# Altium PCB PM.PcbDoc (part 1 of 2)
Units mil, origin at the board's own origin, x right, y up, seen from the top; angles counter-clockwise.
Board outline 527.56 x 1381.89 mil, 4 copper layers (Top Layer 1, Top Layer, Bottom Layer, Bottom Layer 1), stack 62.449 mil thick; 87 components, 77 nets, 297 pads, 164 vias.
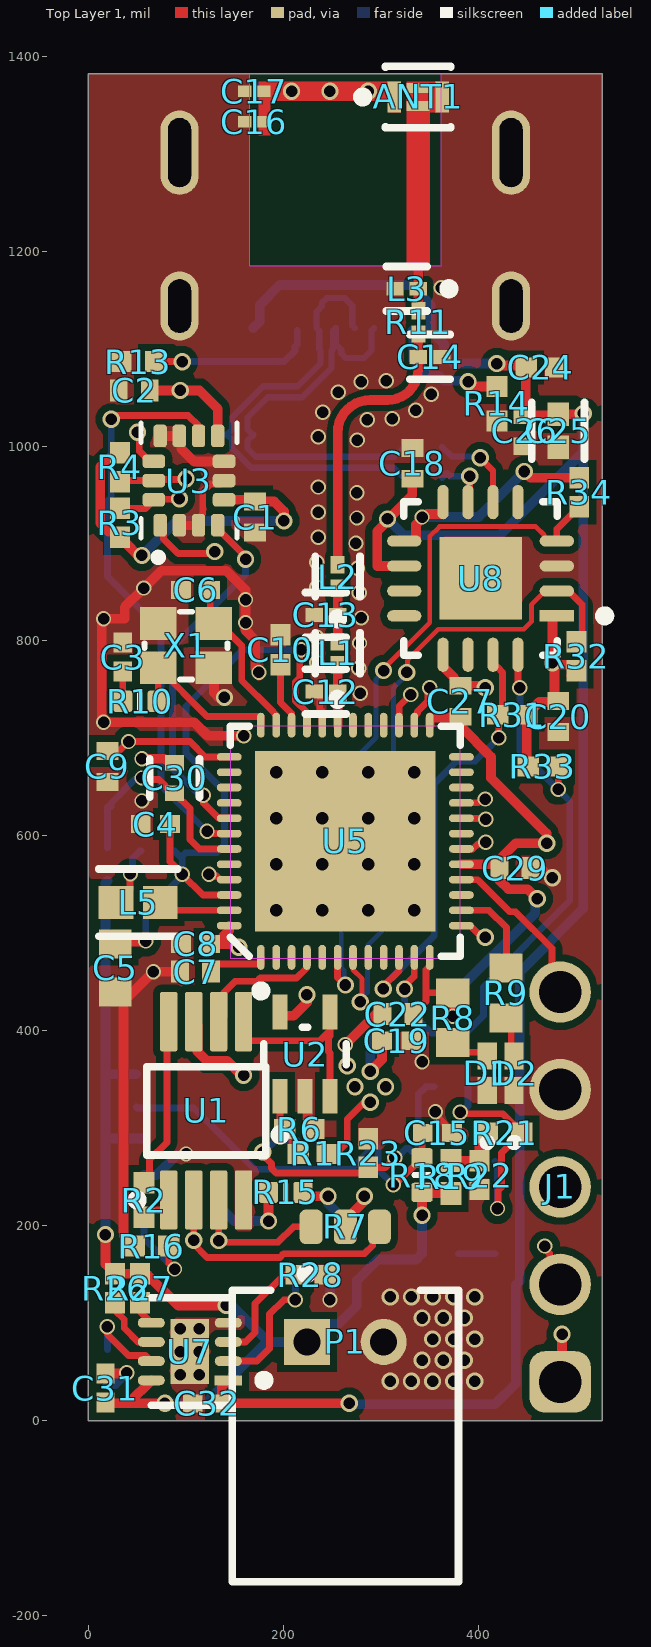
[diagram p0: Top Layer 1 view]
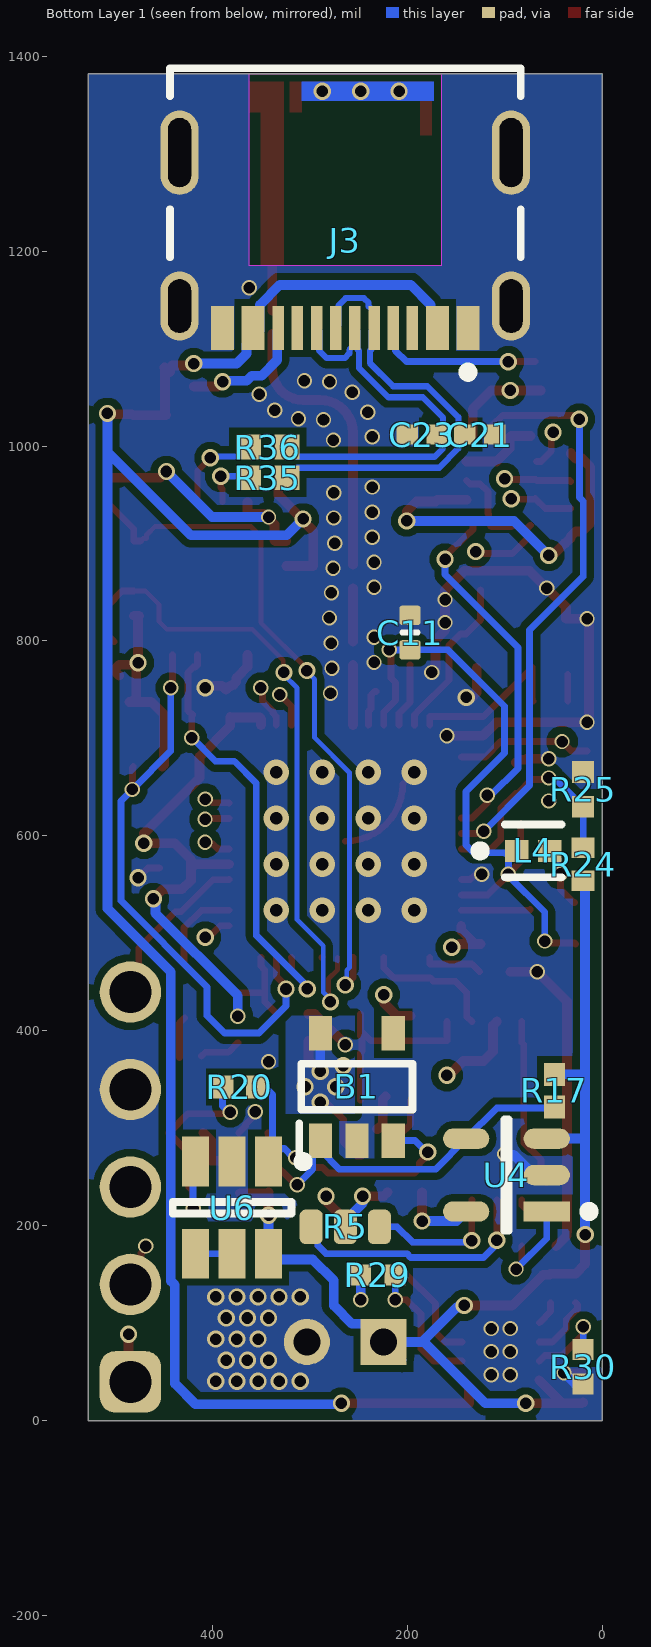
[diagram p1: Bottom Layer 1 view, seen from below]
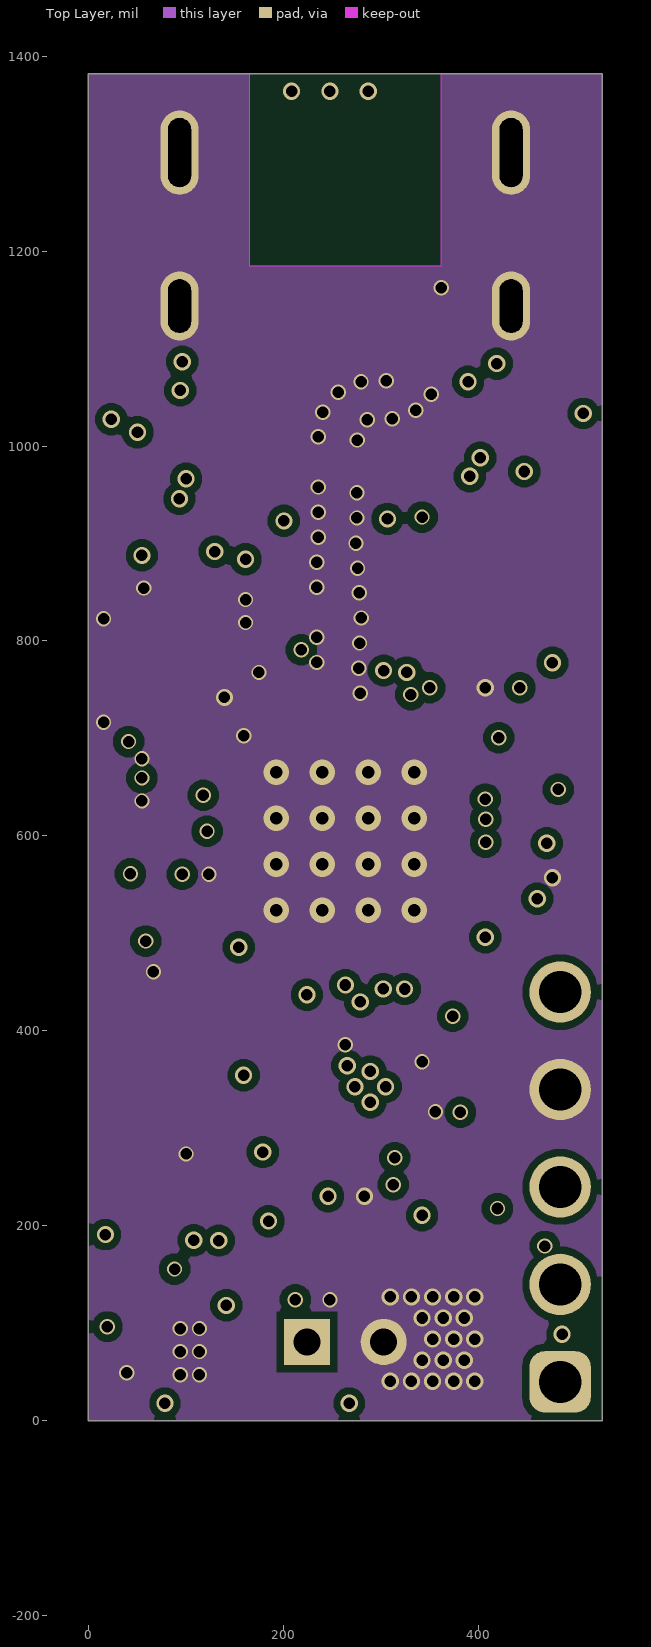
[diagram p2: Top Layer]
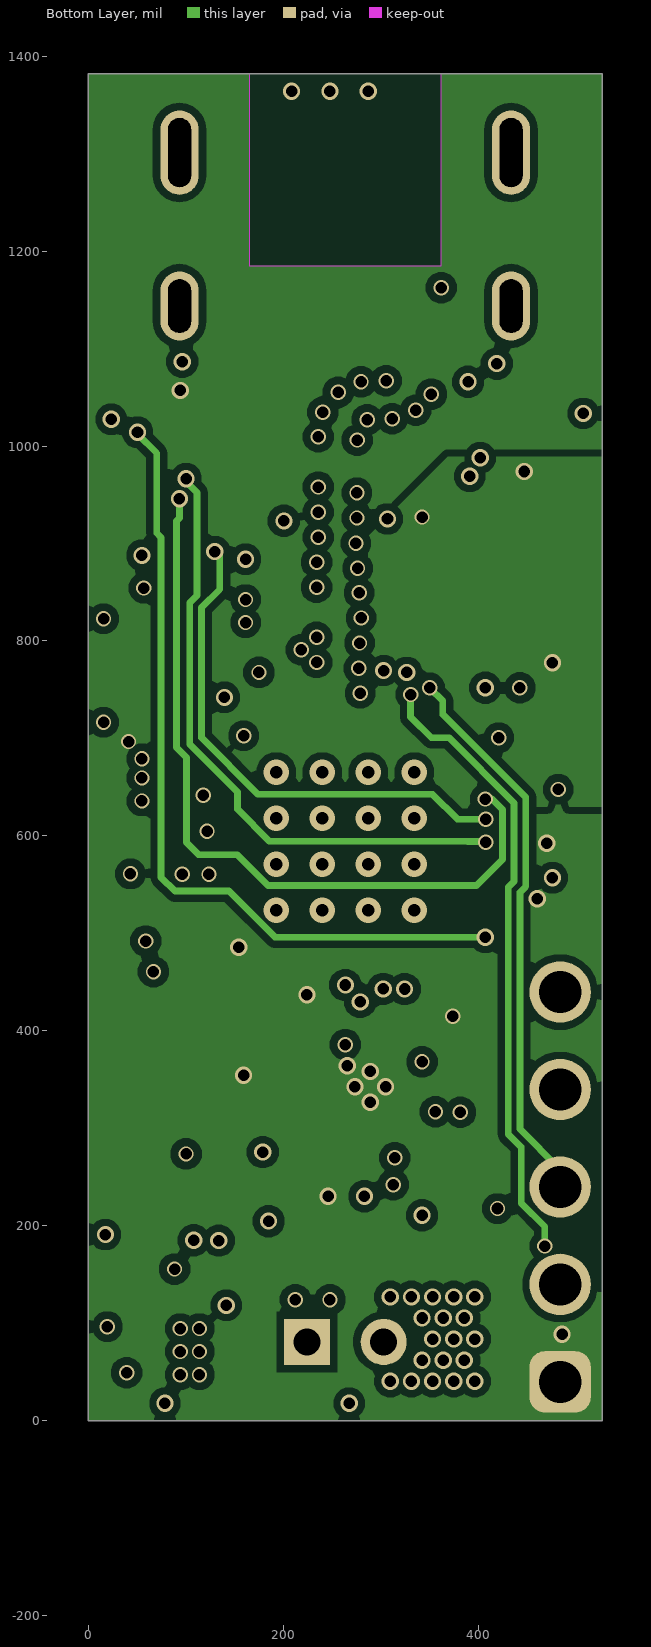
[diagram p3: Bottom Layer]
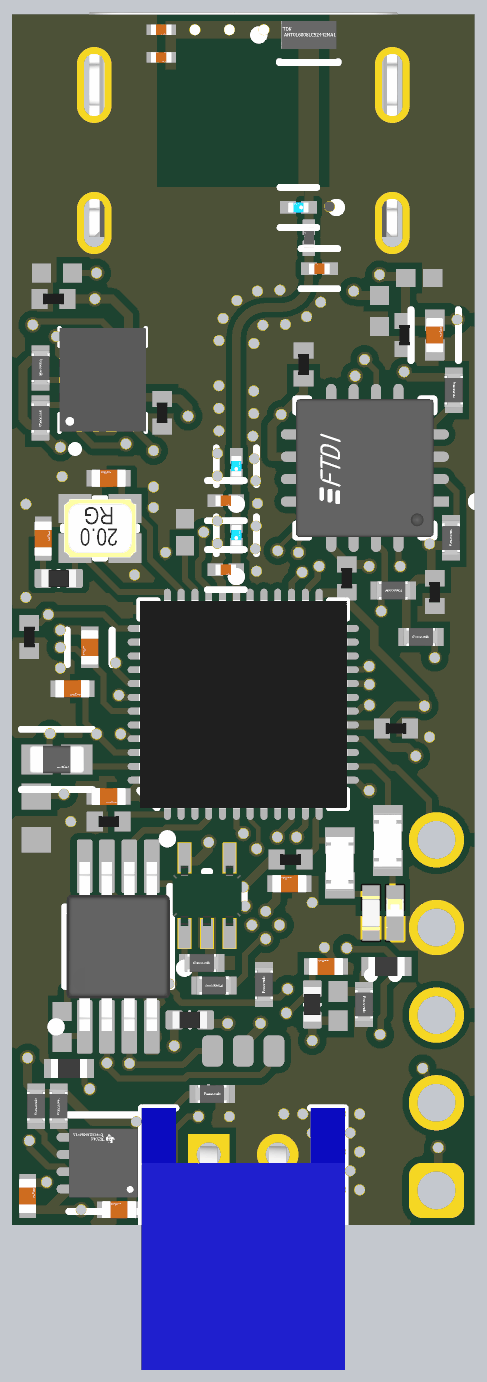
[diagram p5: 3D render of the assembled board from above, using the file's embedded part models]

## Layer stack, top to bottom
Top Solder: solder mask 1.2, Solder Resist, Dk 3.8
Top Layer 1: signal copper 1.378
Dielectric 2: prepreg 8.2835, Core-024, Dk 4.4
Top Layer: signal copper 0.5984
Dielectric 1: core 41.9291, Core-024, Dk 4.6
Bottom Layer: signal copper 0.5984
Dielectric 3: prepreg 8.2835, Core-024, Dk 4.4
Bottom Layer 1: signal copper 1.378
Bottom Solder: solder mask 1.2, Solder Resist, Dk 3.8

## Board outline
0,0 0,1381.89 527.56,1381.89 527.56,0

## Design rules (kind name [scope] priority, off if disabled: settings)
BoardOutlineClearance BoardOutlineClearanceEdge [InNet('GND') AND (IsFill)] p1: gap=7.87 ignorepadtopadclearanceinfootprint=FALSE except(0: Fill-OutlineEdge)
BoardOutlineClearance BoardOutlineClearanceMount [HasFootprint('MBD_PAD')] p2: gap=0 ignorepadtopadclearanceinfootprint=FALSE
BoardOutlineClearance [All] p3: gap=0 ignorepadtopadclearanceinfootprint=FALSE
Clearance Clearance_RF [InNetClass('RF') vs InNet('GND')] p1: gap=0 ignorepadtopadclearanceinfootprint=TRUE except(3.94: Arc-Via Track-Via SMDPad-Via SMDPad-Hole Via-Via Via-Hole; 5: Arc-Arc Arc-Track Arc-SMDPad Arc-THPad Arc-Text Track-Track Track-SMDPad Track-THPad Track-Text SMDPad-SMDPad SMDPad-THPad SMDPad-Text THPad-THPad THPad-Via THPad-Text Via-Text Fill-Text Poly-Text Region-Text Text-Text; 7.87: Arc-Hole Track-Hole; 10: THPad-Hole Fill-Hole Poly-Hole Region-Hole Text-Hole)
Clearance ClearanceSolderBridge [HasFootprint('SOLDERJUMPER-0603')] p2: gap=5 ignorepadtopadclearanceinfootprint=TRUE except(5.98: Arc-Fill Arc-Poly Arc-Region Track-Fill Track-Poly Track-Region SMDPad-Fill SMDPad-Poly SMDPad-Region THPad-Fill THPad-Poly THPad-Region Via-Fill Via-Poly Via-Region Fill-Fill Fill-Poly Fill-Region Poly-Poly Poly-Region Region-Region; 10: Arc-Hole Track-Hole SMDPad-Hole THPad-Hole Via-Hole Fill-Hole Poly-Hole Region-Hole Text-Hole)
Clearance Clearance_1 [All] p3: gap=7.48 ignorepadtopadclearanceinfootprint=TRUE except(3.94: Arc-Via Track-Via SMDPad-Via SMDPad-Hole Via-Via Via-Hole; 5: Arc-Arc Arc-Track Arc-SMDPad Arc-THPad Arc-Text Track-Track Track-SMDPad Track-THPad Track-Text SMDPad-SMDPad SMDPad-THPad SMDPad-Text THPad-THPad THPad-Via THPad-Text Via-Text Fill-Text Poly-Text Region-Text Text-Text; 7.87: Arc-Hole Track-Hole; 10: THPad-Hole Fill-Hole Poly-Hole Region-Hole Text-Hole)
ComponentClearance ComponentClearance_1 [HasFootprint('8-TSSOP_Pkg')] p1: gap=-393.7 collisioncheckmode=3 verticalgap=10 showdistances=FALSE
ComponentClearance [All] p2: gap=3.5 collisioncheckmode=3 verticalgap=3.5 showdistances=TRUE
DiffPairsRouting USB [InDifferentialPairClass('USB')] p1: maxlimit=5 minlimit=5 mostfreqgap=5 toplayer_minwidth=6.36 toplayer_maxwidth=6.36 toplayer_prefwidth=6.36 midlayer1_minwidth=5.13 midlayer1_maxwidth=5.13 midlayer1_prefwidth=5.13 midlayer2_minwidth=5.13 midlayer2_maxwidth=5.13 midlayer2_prefwidth=5.13 bottomlayer_minwidth=6.36 bottomlayer_maxwidth=6.36 bottomlayer_prefwidth=6.36 impedanceprofiledriven=TRUE impedanceprofileid={03B03E39-C32B-4432-9E20-EA2CCE247814} impedanceprofilevalue=90.000000 maxuncoupledlength=500
DiffPairsRouting DiffPairs_PWM [InDifferentialPair('MT_X') OR InDifferentialPair('MT_Y') OR InDifferentialPair('MT_Z')] p2: maxlimit=10 minlimit=7.87 mostfreqgap=10 toplayer_prefgap=7.87 toplayer_minwidth=11.81 toplayer_maxwidth=11.81 toplayer_prefwidth=11.81 midlayer1_mingap=10 midlayer1_minwidth=15 midlayer1_maxwidth=15 midlayer1_prefwidth=15 midlayer2_prefgap=7.87 midlayer2_minwidth=11.81 midlayer2_maxwidth=11.81 midlayer2_prefwidth=11.81 bottomlayer_prefgap=7.87 bottomlayer_minwidth=11.81 bottomlayer_maxwidth=11.81 bottomlayer_prefwidth=11.81 maxuncoupledlength=500
DiffPairsRouting DiffPairs_CAN [InDifferentialPair('CAN')] p3: maxlimit=17.72 minlimit=10 mostfreqgap=17.72 toplayer_mingap=17.72 toplayer_minwidth=7.09 toplayer_maxwidth=7.09 toplayer_prefwidth=7.09 midlayer1_minwidth=15 midlayer1_maxwidth=15 midlayer1_prefwidth=15 midlayer2_minwidth=15 midlayer2_maxwidth=15 midlayer2_prefwidth=15 bottomlayer_mingap=17.72 bottomlayer_minwidth=7.09 bottomlayer_maxwidth=7.09 bottomlayer_prefwidth=7.09 impedanceprofiledriven=TRUE maxuncoupledlength=500
DiffPairsRouting DiffPairs_USB [InDifferentialPair('USB_D') OR InDifferentialPair('FTDI_D') OR InDifferentialPair('USB2_D')] p4: maxlimit=10 minlimit=6.63 mostfreqgap=10 toplayer_mingap=9.45 toplayer_maxgap=9.45 toplayer_prefgap=9.45 toplayer_minwidth=10.24 toplayer_maxwidth=10.24 toplayer_prefwidth=10.24 midlayer1_minwidth=15 midlayer1_maxwidth=15 midlayer1_prefwidth=15 midlayer2_minwidth=15 midlayer2_maxwidth=15 midlayer2_prefwidth=15 bottomlayer_mingap=9.45 bottomlayer_maxgap=9.45 bottomlayer_prefgap=9.45 bottomlayer_minwidth=10.24 bottomlayer_maxwidth=10.24 bottomlayer_prefwidth=10.24 maxuncoupledlength=500
DiffPairsRouting [All] p5: maxlimit=3.5 minlimit=3.5 mostfreqgap=3.5 toplayer_minwidth=3.5 toplayer_maxwidth=1000 toplayer_prefwidth=3.5 midlayer1_minwidth=3.5 midlayer1_maxwidth=1000 midlayer1_prefwidth=3.5 midlayer2_minwidth=3.5 midlayer2_maxwidth=1000 midlayer2_prefwidth=3.5 bottomlayer_minwidth=3.5 bottomlayer_maxwidth=1000 bottomlayer_prefwidth=3.5 maxuncoupledlength=500
Height [All] p1: minheight=0 maxheight=71497.94 prefheight=500
HoleSize [All] p1: absolutevalues=TRUE maxlimit=248.03 minlimit=7.87 maxpercent=80.000 minpercent=20.000
HoleToHoleClearance HoleToHoleClearanceUSB [InComponent('J1')] p1: gap=0 allowstackedmicrovias=TRUE
HoleToHoleClearance [All] p2: gap=7.87 allowstackedmicrovias=FALSE
MinimumAnnularRing MinimumAnnularRing_USBC [InComponent('J1')] p1: minimumring=0
MinimumAnnularRing [All] p2: minimumring=3.94
MinimumSolderMaskSliver MinimumSolderMaskSliverUSB [HasFootprint('UJ31-CH-G1-SMT-TR')] p1: minsoldermaskwidth=3.15
MinimumSolderMaskSliver [All] p2: minsoldermaskwidth=3.94
PlaneClearance [All] p1: clearance=3.5
PlaneConnect PlaneConnectUSB [HasFootprint('uj31-CH-G1-SMT-TR')] p1: planeconnectstyle=Direct reliefexpansion=20 reliefentries=4 reliefconductorwidth=10 reliefairgap=10
PlaneConnect PlaneConnectMount [(HasFootprint('MBD_PAD') OR HasFootprint('SHIELD_PAD'))] p2: planeconnectstyle=Direct reliefexpansion=20 reliefentries=4 reliefconductorwidth=10 reliefairgap=10
PlaneConnect PlaneConnectPowerPads [(InNet('3V3') OR InNet('3V3_EXT') OR InNet('3V3_FSI') OR InNet('3V3_IN') OR InNet('5V0_USB') OR InNet('MCU_A3V3') OR InNet('3V3_PWM'))] p3: planeconnectstyle=Direct reliefexpansion=20 reliefentries=4 reliefconductorwidth=10 reliefairgap=10
PlaneConnect [All] p4: pad.planeconnectstyle=Relief pad.reliefexpansion=11.81 pad.reliefentries=4 pad.reliefconductorwidth=10 pad.reliefairgap=7.48 via.planeconnectstyle=Direct via.reliefexpansion=11.81 via.reliefentries=4 via.reliefconductorwidth=5 via.reliefairgap=5
PolygonConnect PolygonConnectTVS2 [HasFootprint('TVS-0603')] p1: connectstyle=Direct reliefconductorwidth=10 reliefentries=4 polygonreliefangle="90 Angle" airgapwidth=10
PolygonConnect PolygonConnectTVS [HasFootprint('SOT23_5L')] p2: connectstyle=Direct reliefconductorwidth=10 reliefentries=4 polygonreliefangle="90 Angle" airgapwidth=10
PolygonConnect PolygonConnectFTDI [HasFootprint('FP-QFN-20-MFG')] p3: connectstyle=Direct reliefconductorwidth=10 reliefentries=4 polygonreliefangle="90 Angle" airgapwidth=10
PolygonConnect PolygonConnectSOIC [HasFootprint('8-SOIC') vs InNet('GND')] p4: connectstyle=Direct reliefconductorwidth=10 reliefentries=4 polygonreliefangle="90 Angle" airgapwidth=10
PolygonConnect PolygonConnectLTC4415 [HasFootprint('FP-MSE-16-05-08-1667-MFG')] p5: connectstyle=Direct reliefconductorwidth=10 reliefentries=4 polygonreliefangle="90 Angle" airgapwidth=10
PolygonConnect PolygonConnectMRAM [HasFootprint('PSON127P600X90_HS-9M') OR HasFootprint('S3A1604V0M-JI1AT_Footprint1')] p6: connectstyle=Direct reliefconductorwidth=10 reliefentries=4 polygonreliefangle="90 Angle" airgapwidth=10
PolygonConnect PolygonConnectPWM [All vs HasFootprint('DRV8838DSGR-Footprint-1')] p7: connectstyle=Direct reliefconductorwidth=10 reliefentries=4 polygonreliefangle="90 Angle" airgapwidth=10
PolygonConnect PolygonConnectFSI [HasFootprint('FSI-110-PCB')] p8: connectstyle=Direct reliefconductorwidth=10 reliefentries=4 polygonreliefangle="90 Angle" airgapwidth=10
PolygonConnect PolygonConnectFlash [All vs HasFootprint('MT25Q-W9')] p9: connectstyle=Direct reliefconductorwidth=10 reliefentries=4 polygonreliefangle="90 Angle" airgapwidth=10
PolygonConnect PolygonConnectMount [(HasFootprint('MBD_PAD') OR HasFootprint('SHIELD_PAD'))] p10: connectstyle=Direct reliefconductorwidth=10 reliefentries=4 polygonreliefangle="90 Angle" airgapwidth=10
PolygonConnect PolygonConnectPower [All vs (InNet('3V3') OR InNet('3V3_EXT') OR InNet('3V3_FSI') OR InNet('3V3_IN') OR InNet('5V0_USB') OR InNet('MCU_A3V3') OR InNet('3V3_PWM') OR InNet('3V3_FTDI'))] p11: connectstyle=Direct reliefconductorwidth=10 reliefentries=4 polygonreliefangle="90 Angle" airgapwidth=10
PolygonConnect [All] p12: connectstyle=Direct reliefconductorwidth=6.3 reliefentries=4 polygonreliefangle="90 Angle" airgapwidth=6.3
RoutingVias [All] p1: holewidth=7.87 width=17.72 viastyle="Through Hole" minholewidth=11.81 minwidth=15.75 maxholewidth=248.03 maxwidth=257.87
SilkToSilkClearance [All] p1: silktosilkclearance=5
SilkToSolderMaskClearance [IsPad] p1: minsilkscreentomaskgap=5 clearancetoexposedcopper=TRUE
SolderMaskExpansion SolderMaskExpansionVias [IsVia] p1: expansion=0 istentingtop=TRUE
SolderMaskExpansion SolderMaskExpansion_1 [InPadClass('All Pads')] p2: expansion=0 istentingtop=FALSE
SolderMaskExpansion [All] p3: expansion=0 istentingtop=FALSE soldermaskfromhole=TRUE
UnRoutedNet [All] p1: checkbadconnections=TRUE
UnpouredPolygon [All] p1: allowshelved=TRUE
ViasUnderSMD [All] p1: allowed=FALSE
Width RF [InNetClass('RF')] p1: maxlimit=9.96 minlimit=7.12 preferedwidth=9.96 toplayer_minwidth=9.96 midlayer1_maxwidth=7.12 midlayer1_prefwidth=7.12 midlayer2_maxwidth=7.12 midlayer2_prefwidth=7.12 bottomlayer_minwidth=9.96 impedanceprofiledriven=TRUE impedanceprofileid={37774C1C-8497-48A5-A322-58DEB3C351D2} impedanceprofilevalue=50.000000 minimp=50.000000 maximp=50.000000 favimp=50.000000
Width Width_10mil [InNetClass('PWR')] p2: maxlimit=1000 minlimit=7 preferedwidth=10 minimp=50.000000 maximp=50.000000 favimp=50.000000
Width Width_7mil [All] p3: maxlimit=1000 minlimit=4 preferedwidth=7 minimp=50.000000 maximp=50.000000 favimp=50.000000
Width Power_20mil [All] p4 off: maxlimit=1000 minlimit=20 preferedwidth=20 minimp=50.000000 maximp=50.000000 favimp=50.000000
Width Power_12mil [All] p5 off: maxlimit=1000 minlimit=12 preferedwidth=12 minimp=50.000000 maximp=50.000000 favimp=50.000000
18 further rules are at their usual default settings.

## Classes and differential pairs
net class PWR: +5 VBATT VCC VCCIO VDDIO
differential pair class USB: USBD USBD2
net class RF: NetANT1_2-3 NetC13_2 NetC14_2 RF
differential pair USBD2: +USBD2_P -USBD2_N
differential pair USBD: +USBD_P -USBD_N

## Components (designator, comment, footprint, x,y, rotation, side; value= is the part's Value field where it differs from the comment)
ANT1 "ANT016008LCS2442MA1" FP-ANT016-MFG 338.58,1358.27 r0 top
B1 "XC6210B332MR-G" SOT95P280X130-5N 251.97,342.52 r90 bottom
C1 "GRM155R71C104KA88D" FP-GRM15-IPC_B 171.26,927.17 r90 top value=100nF
C2 "GRM155R71C104KA88D" FP-GRM15-IPC_B 47.24,1057.09 r0 top value=100nF
C3 "GRM1555C1H100FA01D" FP-GRM155-0_05-IPC_C 35.43,783.46 r90 top value=10pF
C4 "GRM155R70J105KA12D" FP-GRM155-0_05-IPC_C 68.9,612.2 r0 top value=1µF
C5 "GRM188R71H473KA61D" CAPC1608X90X35LL10T15 27.56,464.57 r90 top value=47nF
C6 "GRM1555C1H100FA01D" FP-GRM155-0_05-IPC_C 110.24,852.36 r180 top value=10pF
C7 "GRM155R71C104KA88D" FP-GRM15-IPC_B 110.24,460.63 r0 top value=100nF
C8 "GRM155R70J105KA12D" FP-GRM155-0_05-IPC_C 110.24,489.17 r0 top value=1µF
C9 "GRM155R71C104KA88D" FP-GRM15-IPC_B 19.68,671.26 r90 top value=100nF
C10 "GRM1555C1H101JA01D" CAPC1005X55X25LL05T10 197.28,790.81 r90 top value=100pF
C11 "Capacitor 680pF +/-20% 50V 0402" CAPC0402(1005)33_L 197.38,808.64 r90 bottom value=DNP
C12 "GJM0335C1H1R0BB01D" FP-GJM033-0_03-IPC_B 243.94,748.03 r0 top
C13 "GJM0335C1H1R2BB01D" FP-GJM033-0_03-IPC_B 243.94,826.77 r0 top value=1.2pF
C14 "GJM0335C1H1R6BB01D" FP-GJM033-0_03-IPC_B 350.71,1091.54 r180 top value=DNP
C15 "GRM155R70J105KA12D" FP-GRM155-0_05-IPC_C 358.27,295.28 r180 top value=1µF
C16 "GJM0335C1H1R6BB01D" FP-GJM033-0_03-ANT 170.28,1332.68 r0 top value=1.6pF
C17 "GJM0335C1H1R6BB01D" FP-GJM033-0_03-ANT 170.28,1364.17 r0 top value=DNP
C18 "GRM155R71C104KA88D" FP-GRM15-IPC_B 332.68,982.28 r90 top value=100nF
C19 "GRM155R70J105KA12D" FP-GRM155-0_05-IPC_C 316.46,389.82 r180 top value=1µF
C20 "GRM155R71C104KA88D" FP-GRM15-IPC_B 482.28,722.44 r270 top value=100nF
C21 "GRM1555C1H470JA01D" CAPC1005X55X25LL05T10 125.98,1011.81 r180 bottom value=47pF
C22 "GRM155R71C104KA88D" FP-GRM15-IPC_B 317.78,417.24 r0 top value=100nF
C23 "GRM1555C1H470JA01D" CAPC1005X55X25LL05T10 185.04,1011.81 r180 bottom value=47pF
C24 "GRM155R71E103KA01D" CAPC1005X55X25LL05T10 464.57,1080.71 r180 top value=10nF
C25 "GRM1555C1H4R7CA01D" FP-GRM155-0_05-IPC_B 482.28,1015.75 r90 top value=4.7pF
C26 "GRM155R71C104KA88D" FP-GRM15-IPC_B 447.83,1015.75 r90 top value=100nF
C27 "GRM155R71C104KA88D" FP-GRM15-IPC_B 381.89,738.19 r270 top value=100nF
C29 "GRM155R71C104KA88D" FP-GRM15-IPC_B 437.99,566.93 r180 top value=100nF
C30 "GRM155R71E223JA61D" FP-GRM155-0_05-MFG 88.58,659.45 r270 top value=22nF
C31 "GRM155R70J105KA12D" FP-GRM155-0_05-IPC_C 17.72,33.46 r90 top value=1µF
C32 "GRM155R70J105KA12D" FP-GRM155-0_05-IPC_C 122.05,17.72 r180 top value=1µF
D1 "APHHS1005LCGCK" LED_APHHS1005LCGCK 409.45,356.3 r90 top
D2 "APHHS1005LCGCK" LED_APHHS1005LCGCK 437.01,356.3 r90 top
J1 "61300511121" 61300511121 484.25,239.76 r90 top
J3 "217179-0001" FP-2171790001-MFG 263.78,1255.91 r0 bottom
L1 "LQP03PN4N7J02D" FP-LQP03PN_02-IPC_B 255.91,787.4 r90 top value=4.7nH
L2 "LQP03TN2N2B02D" FP-LQP03TG_02-IPC_B 255.91,866.14 r90 top
L3 "LQP03TN3N5B02D" FP-LQP03TG_02-IPC_B 326.77,1161.42 r180 top
L4 "LQG15HS15NJ02D" FP-LQG15HH_02-IPC_B 70.87,584.65 r180 bottom value=15nH
L5 "LQM18DN100M70L" FP-LQM18DN_70-IPC_C 51.18,531.5 r0 top value=10µH
P1 "S2B-PH-K-S-GW" JST-S2B-PH-K-S_V 263.78,-15.75 r0 top locked
R1 "ERA-2AEB103X" FP-ERA2A-IPC_C 230.32,273.62 r180 top value=10k
R2 "ERJ-2GEJ101X" RESC1005X40X25NL05T05 57.09,226.38 r270 top value=100
R3 "ERA-2AEB103X" FP-ERA2A-IPC_C 32.48,921.26 r90 top value=10k
R4 "ERA-2AEB103X" FP-ERA2A-IPC_C 32.48,978.35 r270 top value=10k
R5 "BF350-3HA-E" BF350-3HA-E-Footprint-1 263.78,198.82 r0 bottom
R6 "ERA-2AEB103X" FP-ERA2A-IPC_C 216.54,299.21 r0 top value=10k
R7 "BF350-3HA-E" BF350-3HA-E-Footprint-1 263.78,198.82 r180 top
R8 "ERJ-3EKF6800V" FP-ERJ3EK-IPC_C 374.02,413.39 r90 top value=680
R9 "ERJ-3EKF6800V" FP-ERJ3EK-IPC_C 428.56,438.86 r90 top value=680